# Allegro board fscvmotherboardv2.brd (continued)
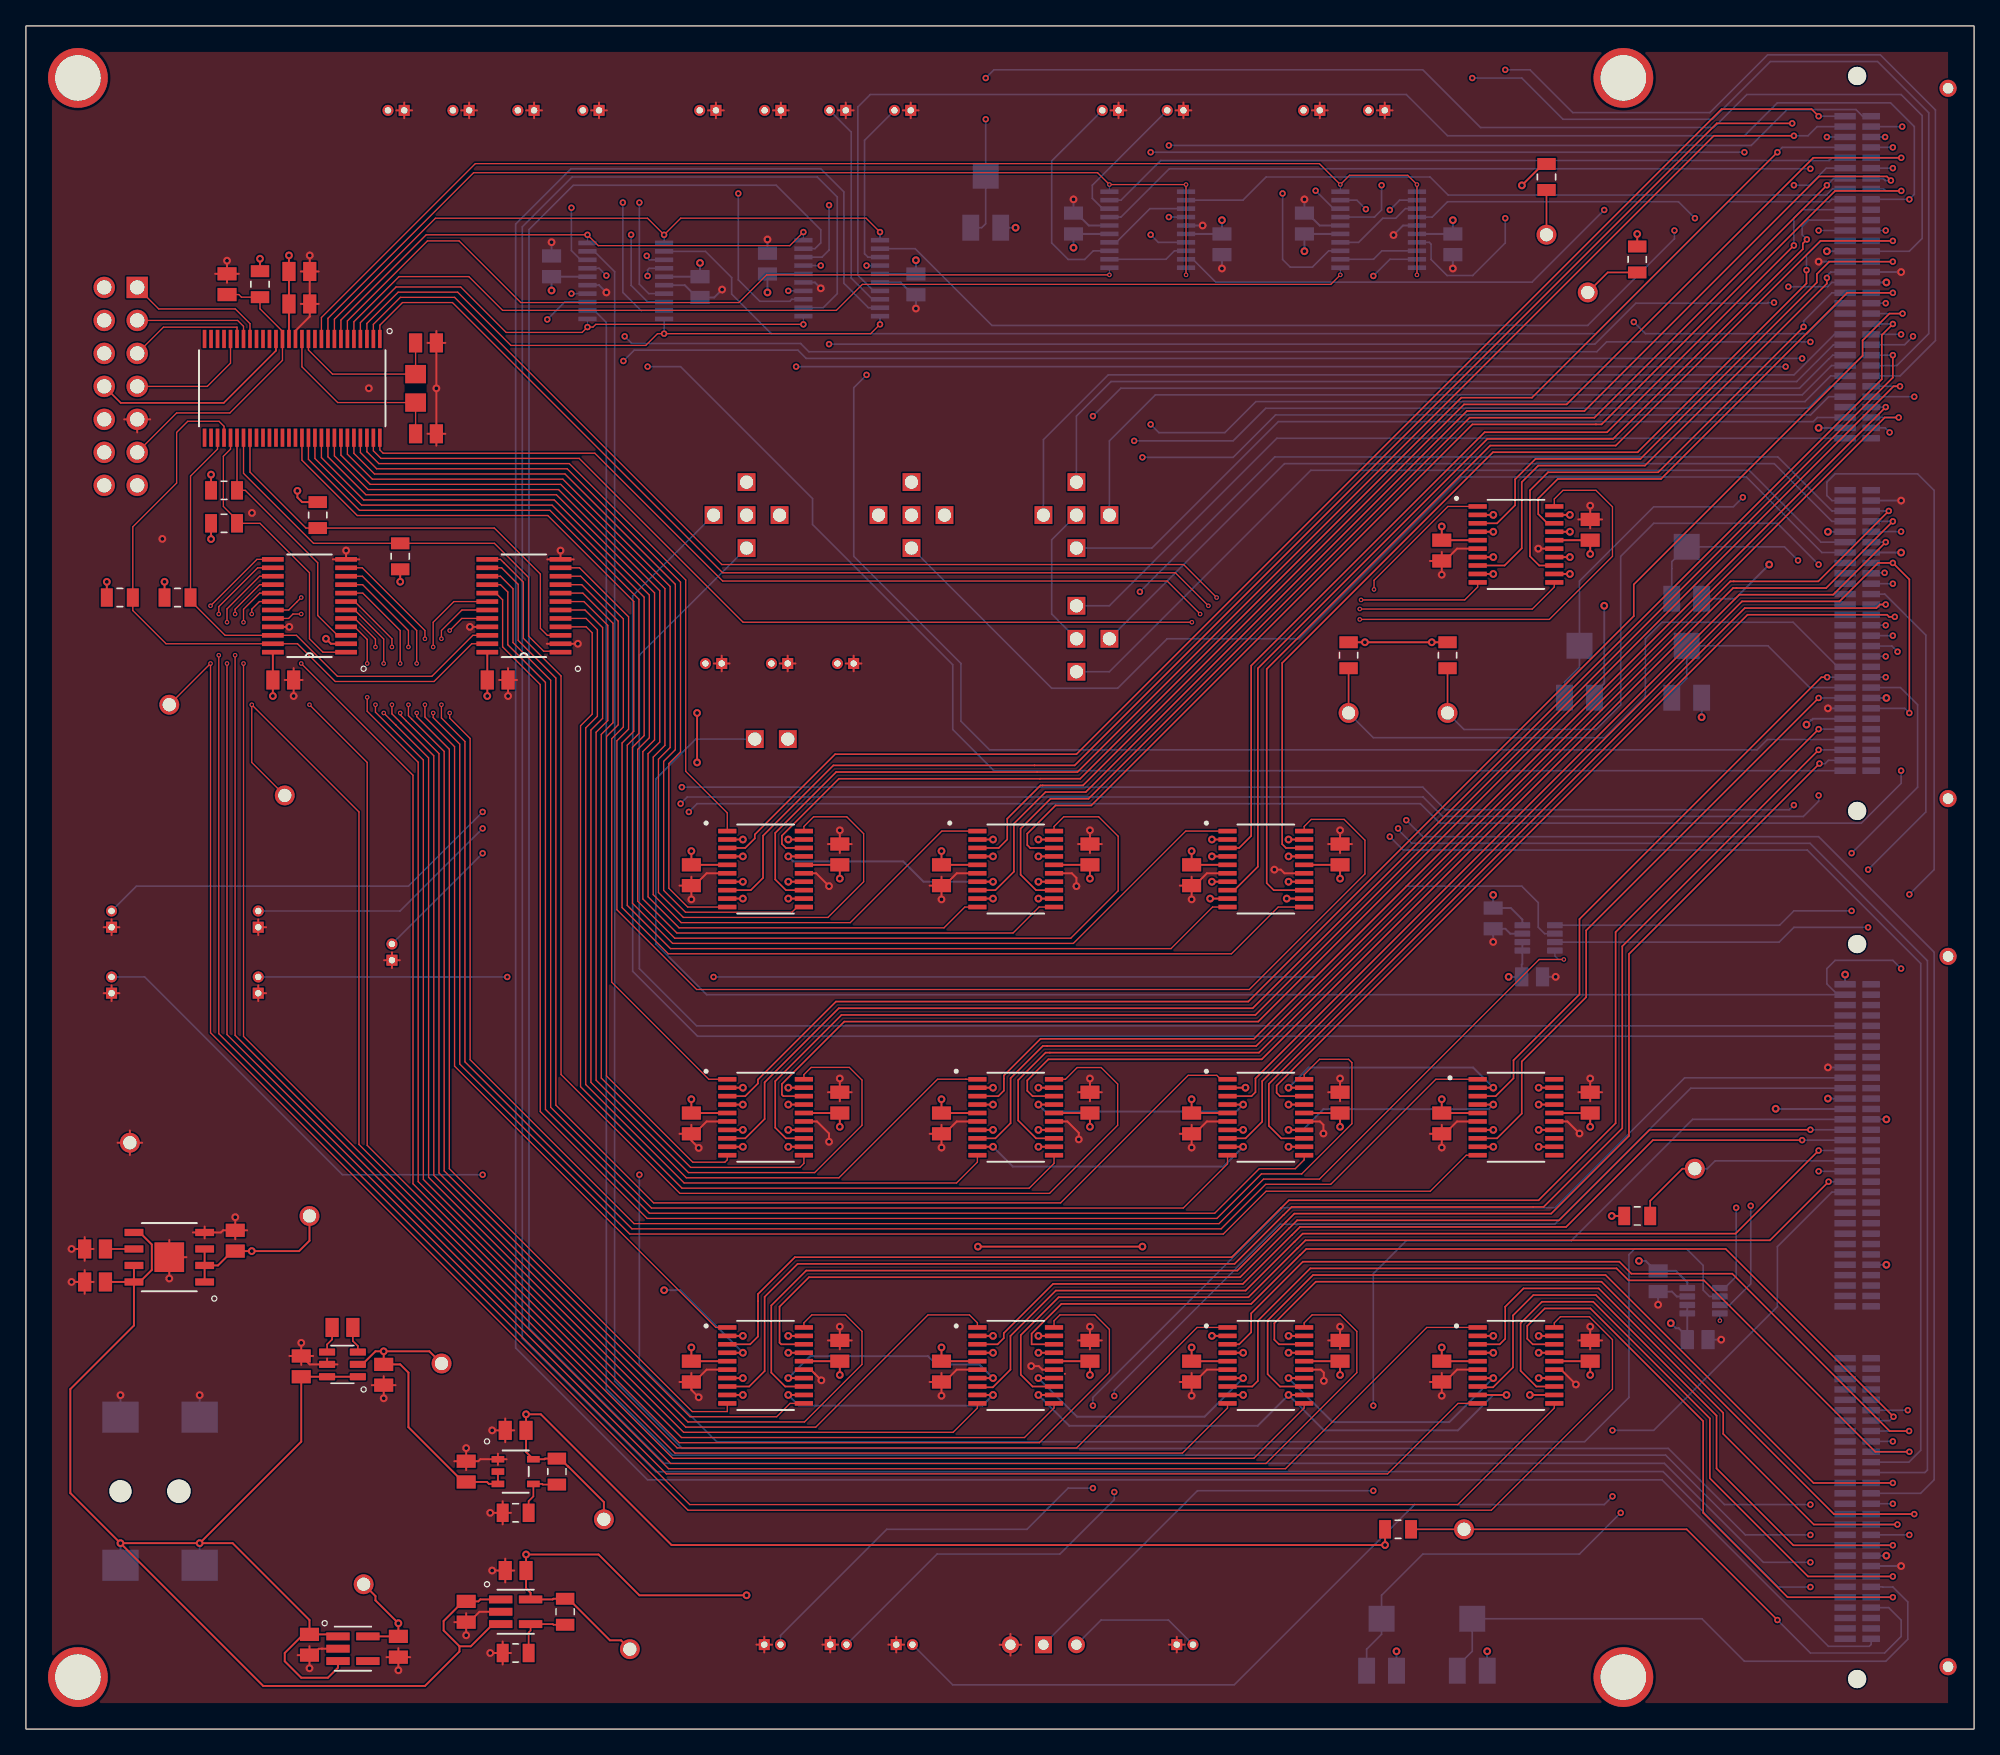
[diagram p0: board, top side]
## Routing (per net, layer and track width the routed paths; a pad name or vN(x,y) marks a point on that pad's centre or on a via; arc(x,y) is an arc through that point) (continued)
  POWER w0.15: v2(112.98,48.09) v2(112.98,46.14) 110.73,43.89 110.73,38.88 112.25,37.35 124.6,37.35 125.1,36.85 125.1,35.55 124.61,35.07 111.36,35.07 110.73,34.43 110.73,31.68 112.73,29.68 112.94,29.68 112.98,29.64 v2(112.98,28.98) v2(116.48,28.98) v2(116.48,27.03) v2(112.98,27.03) ; v2(55.48,10.3) 98.65,10.3 109.1,20.75 116.73,20.75 121.53,25.54 128.51,25.54 134.73,31.76 v2(134.73,47.77) ; v2(58.7,48.09) 60.89,48.09 61.9,49.1 71.5,49.1 v2(74.46,46.14) v2(77.96,46.14) v2(77.96,48.09) v2(74.46,48.09) ; v2(58.7,48.09) v2(58.7,46.14) ; v2(58.7,48.09) v2(55.2,48.09) v2(55.2,46.14) ; v2(97.22,48.09) 97.22,46.64 v2(97.22,46.14) v2(93.72,46.14) v2(93.72,48.09) ; v2(118.88,90.25) v2(118.88,92.2) v2(112.98,92.2) ; v2(49.14,33.79) 49.14,44.59 54.22,49.67 54.22,64.91 54.55,65.25 v2(55.2,65.25) v2(58.7,65.25) v2(58.7,67.2) v2(55.2,67.2) 53.58,68.82 53.58,69.99 58.66,75.07 1.65V.TP ; v2(74.46,28.98) v2(77.96,28.98) v2(77.96,27.03) v2(74.46,27.03) ; v2(112.98,92.2) 111.06,94.12 108.97,94.12 107.56,92.7 107.56,91.58 110.73,88.41 110.73,72.53 105.65,67.45 101.2,67.45 98.66,64.91 98.66,63.64 97.39,62.37 89.14,62.37 88.5,63.01 88.5,64.35 89.4,65.25 v2(91.32,65.25) v2(97.22,65.25) 97.22,65.75 v2(97.22,67.2) v2(91.32,67.2) 87.89,70.62 72,70.62 69.45,68.09 69.45,66.81 70.09,66.18 73.44,66.18 v2(74.46,67.2) v2(77.96,67.2) v2(77.96,65.25) v2(74.46,65.25) ; v2(112.98,92.2) v2(112.98,90.25) ; v2(97.22,28.98) v2(93.72,28.98) v2(93.72,27.03) v2(97.22,27.03) ; v2(55.2,28.98) v2(58.7,28.98) v2(58.7,27.03) v2(55.2,27.03) 38.56,27.03 37.07,25.54 37.07,23 38.5,21.57 v2(38.5,13.44)
  BOTTOM w0.15: v2(77.96,48.09) 78.5,47.55 93.18,47.55 v2(93.72,48.09) ; v2(97.22,27.03) 100.61,23.64 109.59,23.64 v2(112.98,27.03) ; v2(134.73,47.77) 134.74,47.75 J1.133 ; v2(74.46,27.03) 73.41,28.08 70.09,28.08 69.45,28.72 60.39,28.72 v2(58.7,27.03) ; v2(97.22,46.14) 98.31,46.14 99.9,47.73 112.63,47.73 v2(112.98,48.09) ; v2(77.96,27.03) 80.93,24.05 90.75,24.05 v2(93.72,27.03) ; v2(49.14,33.79) 50.38,33.79 v2(55.2,28.98) ; v2(58.7,67.2) 59.08,66.81 67.55,66.81 69.12,65.25 v2(74.46,65.25)
+5V: length 594.6
  TOP w0.15: v2(101.19,65.49) C24.1 U12.16 ; U24.16 C48.1 v2(81.92,27.27) ; v2(101.19,46.38) C42.1 U21.16 ; U14.16 C28.1 v2(81.92,46.38) ; U9.16 C18.1 v2(120.44,27.27) ; v2(62.66,65.49) C32.1 U16.16 ; v2(120.44,90.49) C36.1 U19.16 ; U15.16 C30.1 v2(62.66,46.38) ; U13.16 C26.1 v2(81.92,65.49) ; U17.16 C34.1 v2(62.66,27.27) ; U11.16 C22.1 v2(101.19,27.27) ; U10.16 C20.1 v2(120.44,46.38) ; UNK+5V.TP 26.91,10.24 26.91,9.91 v2(28.67,8.15) C10.1 U3.5
  POWER w0.15: v2(62.66,65.49) 61.2,66.96 61.2,76.34 59.93,77.61 46.91,77.61 ; v2(120.44,90.49) 122.16,92.21 122.16,103.91 v2(109.87,116.2) 108.45,117.62 102.28,117.62 99.74,115.08 93.21,115.08 v2(92.09,116.2) 89.47,113.57 83.02,113.57 81.92,114.68 61.14,114.68 v2(57.09,110.63) 56.12,110.63 52.94,113.81 49.39,113.81 48.37,112.78 42.47,112.78 v2(40.47,110.78) 41.41,109.84 41.41,98.03 45.96,93.49 45.96,78.56 46.91,77.61 ; v2(62.66,27.27) 43.54,8.15 v2(28.67,8.15) 28.67,14.89 23.73,19.83 23.73,61.1 39.61,76.98 46.28,76.98 46.91,77.61 ; v2(62.66,27.27) 65.01,29.61 65.01,44.03 v2(62.66,46.38) ; v2(62.66,27.27) 66.3,23.64 79.62,23.64 81.92,25.95 v2(81.92,27.27) ; 114.11,58.48 114.17,58.43 v2(114.17,57.93) 114.17,52.66 v2(120.44,46.38) 122.28,46.38 127.81,40.85 127.81,32.41 v2(126.65,31.26) 125.34,31.26 121.35,27.27 v2(120.44,27.27) 120.44,26.37 118.35,24.27 106.92,24.27 103.92,27.27 v2(101.19,27.27) ; v2(101.19,27.27) 103.75,29.83 103.75,43.82 v2(101.19,46.38) 103.11,48.3 103.11,64.28 101.89,65.49 v2(101.19,65.49) ; v2(101.19,27.27) 101.19,22.98 99.3,21.1 89.78,21.1 83.6,27.27 v2(81.92,27.27) ; v2(81.92,27.27) 84.06,29.4 84.06,44.24 v2(81.92,46.38) 84,48.46 84,63.41 v2(81.92,65.49)
  BOTTOM w0.15: C54.1 127.92,30.21 ; 127.92,30.21 U26.1 U26.2 ; 127.92,30.21 127.27,30.86 127.04,30.86 v2(126.65,31.26) ; v2(57.09,110.63) C40.1 U18.16 ; v2(40.47,110.78) C38.1 U20.16 ; U22.16 C44.1 v2(92.09,116.2) ; U25.2 U25.1 115.22,58.91 115.17,58.86 C52.1 v2(114.17,57.93) ; v2(109.87,116.2) C46.1 U23.16
-1.65V: length 985.5
  TOP w0.15: U24.9 v2(74.46,25.73) ; U14.9 v2(74.46,44.84) ; U11.2 v2(91.32,30.28) ; U19.19 v2(118.88,93.5) ; U13.19 v2(77.96,68.5) ; U21.19 v2(97.22,49.39) ; U19.12 v2(118.88,88.95) ; U12.9 v2(91.18,63.95) ; U19.9 v2(112.98,88.95) ; U24.2 v2(74.46,30.28) ; U16.2 v2(55.2,68.5) ; U14.12 v2(77.96,44.84) ; U16.9 v2(55.2,63.95) ; U12.12 v2(97.08,63.95) ; U14.19 v2(77.96,49.39) ; U9.19 v2(116.48,30.28) ; v2(93.9,49.39) U21.2 ; R18.2 116.83,120.52 v2(115.19,118.88) ; U12.2 v2(91.32,68.5) ; U12.19 v2(97.22,68.5) ; U16.19 v2(58.7,68.5) ; U17.2 v2(55.2,30.28) ; R15.2 v2(124.06,115.13) ; U21.12 v2(97.22,44.84) ; U24.12 v2(77.96,25.73) ; UNK-1.65V.TP 44.5,17.48 41.75,20.22 41.73,20.22 41.13,20.83 R12.2 39.97,20.83 39.92,20.78 U8.5 38.5,21.34 C16.1 v2(38.5,24.24) 39.64,24.24 49.71,14.17 v2(104.65,14.17) R16.2 ; U15.9 v2(55.2,44.84) ; U17.9 v2(55.2,25.73) ; U17.12 v2(58.7,25.73) ; U16.12 v2(58.7,63.95) ; R19.2 v2(108.25,83.69) v2(103.1,83.69) R17.2 ; U11.12 v2(97.22,25.73) ; U9.12 v2(115.8,25.73) ; U13.12 v2(77.96,63.95) ; U24.19 v2(77.96,30.28) ; U15.19 v2(58.7,49.39) ; U13.2 v2(74.46,68.5) ; R14.2 v2(122.11,39.51) ; U10.9 v2(112.98,44.84) ; U10.2 v2(112.98,49.39) ; U13.9 v2(74.46,63.95) ; U17.19 v2(58.7,30.28) ; U11.9 v2(93.72,25.73) ; U15.12 v2(58.7,44.84) ; U11.19 v2(97.22,30.28) ; U9.2 v2(112.98,30.28) ; U14.2 v2(74.46,49.39) ; U9.9 v2(114,25.73) ; v2(93.72,44.84) U21.9 ; U15.2 v2(55.2,49.39) ; U19.2 v2(112.98,93.5)
  POWER w0.15: v2(93.9,49.39) 93.4,49.39 92.65,48.64 92.65,45.91 v2(93.72,44.84) v2(97.22,44.84) 98.66,46.29 98.66,47.94 v2(97.22,49.39) ; v2(93.72,25.73) v2(97.22,25.73) 98.66,27.17 98.66,28.83 v2(97.22,30.28) v2(91.32,30.28) ; v2(112.98,30.28) v2(116.48,30.28) ; v2(116.48,30.28) 120.63,34.43 125.97,34.43 127.2,35.67 127.2,39.55 124.7,42.05 115.17,42.05 112.98,44.24 ; v2(116.48,30.28) 117.08,29.67 117.08,26.33 116.48,25.73 v2(115.8,25.73) v2(114,25.73) ; v2(74.46,63.95) 72.94,63.95 71.99,63.01 70.02,63.01 68.85,64.17 68.85,71.93 73.9,76.98 87.87,76.98 91.32,73.53 v2(91.32,68.5) v2(97.22,68.5) ; v2(74.46,63.95) 72.25,61.74 68.82,61.74 66.6,63.95 v2(58.7,63.95) ; v2(74.46,63.95) v2(77.96,63.95) 78.98,64.97 78.98,67.48 v2(77.96,68.5) v2(74.46,68.5) ; 55.2,50.02 v2(55.2,49.39) ; 55.2,50.02 56.76,51.58 72.28,51.58 v2(74.46,49.39) v2(77.96,49.39) 79.62,47.73 79.62,46.5 v2(77.96,44.84) v2(74.46,44.84) ; 55.2,50.02 v2(55.2,63.95) v2(58.7,63.95) ; v2(55.2,49.39) v2(58.7,49.39) ; v2(55.2,49.39) 54.22,48.4 54.22,45.83 v2(55.2,44.84) v2(58.7,44.84) ; v2(118.88,88.95) 119.53,89.6 119.53,92.85 v2(118.88,93.5) 117.79,94.59 114.07,94.59 v2(112.98,93.5) 111.09,95.39 109.01,95.39 106.92,93.3 106.92,85.02 v2(108.25,83.69) ; v2(118.88,88.95) v2(112.98,88.95) ; v2(118.88,88.95) 119.24,88.59 119.43,88.59 v2(121.53,86.5) 129.03,79 v2(129.03,77.92) ; v2(134.22,89.68) 134.22,83.12 v2(129.03,77.92) ; v2(134.22,89.68) 132.95,88.41 130.41,88.41 127.24,91.58 127.24,101.11 115.19,113.16 115.19,115.87 ; v2(134.22,89.68) 134.22,90.31 135.5,91.58 138.13,91.58 v2(138.75,92.2) ; v2(129.03,77.92) 129.03,73.03 132.2,69.85 136.2,69.85 137.1,70.75 v2(137.1,77.35) 137.5,77.75 141.6,77.75 v2(143.25,79.4) ; v2(138.03,100.2) 138.03,92.92 v2(138.75,92.2) ; v2(104.65,14.17) 105.53,13.29 v2(105.53,5.99) v2(112.52,5.99) ; v2(112.52,5.99) 120.64,14.11 132.32,14.11 143.25,25.04 v2(143.25,35.75) v2(143.25,46.95) 141.65,48.55 v2(138.75,48.55) 140.07,49.88 v2(140.07,58.1) ; v2(112.52,5.99) 114.04,5.99 121.53,13.48 142.62,13.48 142.75,13.35 v2(143.25,13.35) ; v2(58.7,63.95) 59.93,65.18 59.93,67.27 v2(58.7,68.5) v2(55.2,68.5) ; v2(97.22,68.5) 97.22,76.47 103.1,82.35 v2(103.1,83.69) ; v2(97.22,68.5) 98.03,67.68 98.03,64.91 v2(97.08,63.95) v2(91.18,63.95) ; v2(76.2,115.62) 84.79,115.62 85.97,114.44 88.09,114.44 90.63,116.98 94.86,116.98 96.12,115.71 99.3,115.71 101.84,118.25 110.09,118.25 113.27,115.08 114.39,115.08 115.19,115.87 ; 115.19,115.87 v2(115.19,118.88) 118.36,118.88 122.11,115.13 v2(124.06,115.13) ; v2(138.75,92.2) 131.7,92.2 129.78,94.12 129.78,110.83 131.1,112.15 135.7,112.15 136.81,111.05 142.9,111.05 v2(143.25,111.4) 140.85,113.8 v2(138.67,113.8) ; v2(138.75,92.2) 139.32,92.2 140.92,90.6 v2(144.38,90.6) ; v2(122.11,39.51) 114.54,39.51 112.98,41.07 112.98,44.24 ; 112.98,44.24 v2(112.98,44.84) 114.54,46.4 114.54,48.4 113.55,49.39 v2(112.98,49.39) ; v2(38.5,24.24) 39.64,24.24 40.28,23.6 53.08,23.6 v2(55.2,25.73) v2(58.7,25.73) 59.93,26.96 59.93,29.04 v2(58.7,30.28) v2(55.2,30.28) ; v2(74.46,30.28) v2(77.96,30.28) 78.98,29.25 78.98,26.75 v2(77.96,25.73) v2(74.46,25.73)
  BOTTOM w0.15: J1.208 v2(143.25,35.75) ; v2(74.46,25.73) 73.64,24.91 59.52,24.91 v2(58.7,25.73) ; v2(97.22,49.39) 98.77,50.94 111.43,50.94 v2(112.98,49.39) ; 112.52,4.49 v2(112.52,5.99) ; v2(93.72,44.84) 92.2,43.32 75.98,43.32 v2(74.46,44.84) ; v2(114,25.73) 112.98,25.73 110.26,23 99.94,23 v2(97.22,25.73) 94.84,23.35 80.33,23.35 v2(77.96,25.73) ; J1.121 v2(140.07,58.1) ; J1.55 137.59,77.8 137.5,77.71 137.45,77.71 v2(137.1,77.35) ; VR5.3 v2(76.2,115.62) ; J1.232 v2(143.25,13.35) ; J1.194 v2(143.25,46.95) ; J1.132 v2(138.75,48.55) ; J1.14 v2(138.67,113.8) ; J1.99 v2(144.38,90.6) ; J1.77 v2(143.25,111.4) ; J1.37 v2(138.75,92.2) ; v2(121.53,86.5) 121.53,80.53 120.77,79.77 VR1.3 ; v2(134.22,89.68) 131.59,87.04 VR6.3 ; VR4.3 v2(105.53,5.99) ; VR3.3 v2(129.03,77.92) ; J1.31 v2(138.03,100.2) ; J1.113 v2(143.25,79.4)
-5V: length 560
  TOP w0.15: v2(51.67,78.25) v2(51.67,74.44) ; v2(109.02,29.39) C19.1 U9.5 ; U16.5 C33.1 v2(51.23,67.61) ; v2(70.5,67.61) C27.1 U13.5 ; U17.5 C35.1 v2(51.23,29.39) ; v2(89.75,29.39) C23.1 U11.5 ; U19.5 C37.1 v2(109.02,92.61) ; U5.2 25.9,28.08 26.91,29.09 v2(27.55,29.09) ; v2(85.97,37.15) v2(73.3,37.15) ; v2(27.55,29.09) 31.06,29.09 UNK-5V.TP ; v2(27.55,29.09) C11.1 28.81,28.08 29.45,27.45 29.45,23.25 33.67,19.03 C17.1 35.5,19.03 35.65,18.88 U8.3 U8.2 ; U15.5 C31.1 v2(51.23,48.5) ; U14.5 C29.1 v2(70.5,48.5) ; U24.5 C49.1 v2(70.5,29.39) ; U21.5 C43.1 v2(89.75,48.5) ; v2(109.02,48.5) C21.1 U10.5 ; v2(89.75,67.61) C25.1 U12.5
  POWER w0.15: v2(109.02,48.5) 105.65,51.86 105.65,66.18 105.02,66.81 101.42,66.81 99.94,65.33 99.94,58.68 v2(89.75,48.5) ; v2(109.02,48.5) 108.29,48.5 105.65,45.86 105.65,32.75 v2(109.02,29.39) 109.02,34.62 110.44,36.05 v2(124.2,36.05) ; v2(109.02,48.5) 109.02,60.28 v2(112.97,64.24) 111.36,65.84 111.36,90.26 v2(109.02,92.61) ; v2(89.75,48.5) 88.5,47.25 88.5,39.69 v2(85.97,37.15) 85.97,33.18 v2(89.75,29.39) ; v2(89.75,48.5) 87.87,50.38 87.87,65.73 v2(89.75,67.61) 88.66,68.71 78.6,68.71 78.21,69.1 71.98,69.1 v2(70.5,67.61) ; 66.28,46.5 65.01,47.77 62.47,47.77 60.53,45.83 60.53,41.38 51.23,32.09 v2(51.23,29.39) 50.64,29.99 28.44,29.99 v2(27.55,29.09) 27.55,45.86 30.18,48.5 v2(51.23,48.5) 53.58,50.84 53.58,65.27 v2(51.23,67.61) 51.67,68.05 v2(51.67,74.44) ; 66.28,46.5 68.28,48.5 v2(70.5,48.5) ; 66.28,46.5 66.28,44.17 v2(73.3,37.15) 73.3,36.65 73.27,36.61 73.27,32.16 v2(70.5,29.39) ; v2(51.67,78.25) 51.67,78.91 50.41,80.18 50.41,111.91 51.4,112.9 v2(51.9,112.9) 51.9,110.41 58.02,104.28 61.84,104.28 63.1,105.55 63.1,111.91 65,113.81 67.83,113.81 v2(68.53,113.11) 69.49,114.08 v2(80.66,114.08) 81.52,113.22 81.52,111.27 82.79,110 94.63,110 v2(98.44,113.81)
  BOTTOM w0.15: U26.4 127.92,34.4 127.04,35.29 C55.2 125.48,35.29 124.72,36.05 v2(124.2,36.05) ; v2(80.66,114.08) C45.1 U22.5 ; U25.4 115.22,62.34 114.34,63.23 C53.2 v2(112.97,64.24) ; U20.5 C39.1 v2(51.9,112.9) ; v2(68.53,113.11) C41.1 U18.5 ; v2(98.44,113.81) C47.1 U23.5
GND: length 432.5
  TOP w0.15: C6.2 5.21,34.43 ; C6.2 4.52,33.52 ; C6.2 4.52,35.34 ; C6.2 v2(3.51,34.43) ; J5.2 68.12,125.25 ; J5.2 68.73,124.65 ; J5.2 68.12,124.05 ; J5.2 67.52,124.65 ; C21.2 109.02,46.53 ; C21.2 v2(109.02,44.78) ; C21.2 108.1,45.84 ; C21.2 109.24,45.84 110.19,46.79 U10.6 ; 20.92,5.69 C9.2 ; C9.2 v2(21.83,4.68) ; C9.2 22.06,5.69 22.55,6.19 22.79,6.19 22.8,6.19 U3.2 ; C9.2 21.83,6.38 ; C7.2 5.21,36.97 ; C7.2 v2(3.51,36.97) ; C7.2 4.52,37.88 ; C7.2 4.52,36.06 ; 52.52,124.65 J17.2 ; J17.2 53.12,124.05 ; J17.2 53.73,124.65 ; J17.2 53.12,125.25 ; v2(119.62,45.86) 118.69,46.79 U10.15 ; 99.02,124.65 J18.2 ; J18.2 99.62,125.25 ; J18.2 99.62,124.05 ; J18.2 100.23,124.65 ; C26.2 v2(81.92,69.21) ; C26.2 81.92,67.46 ; C26.2 82.84,68.15 ; C26.2 81.01,68.15 ; v2(81.07,45.41) 81.07,45.91 80.19,46.79 U14.15 ; C19.2 109.24,26.73 110.19,27.68 U9.6 ; C19.2 v2(109.02,25.67) ; C19.2 108.1,26.73 ; C19.2 109.02,27.41 ; C37.2 109.24,89.95 110.19,90.9 U19.6 ; C37.2 v2(109.02,88.89) ; C37.2 108.1,89.95 ; C37.2 109.02,90.64 ; U11.6 90.93,27.68 89.98,26.73 C23.2 ; 58.05,82.06 J27.2 ; J27.2 58.65,82.66 ; J27.2 58.65,81.45 ; J27.2 59.25,82.06 ; C3.1 v2(21.85,113.48) ; C3.1 C4.1 ; C3.1 22.54,112.25 ; C3.1 21.16,112.25 ; U4.12 v2(41.16,90.75) ; U4.12 40.14,90.08 ; U4.12 42.18,90.08 ; U4.21 v2(34.18,84.88) ; v2(80.89,64.91) 80.89,65.54 80.53,65.9 U13.15 ; C4.1 21.16,109.75 ; C4.1 21.85,108.77 20.75,107.67 U1.14 ; C4.1 22.54,109.75 ; U8.1 36.34,21.21 ; U8.1 36.34,20.34 ; U8.1 37.01,20.78 ; U8.1 34.98,20.78 34.83,20.63 33.89,20.63 ; J14.2 84.73,124.65 ; J14.2 84.12,125.25 ; J14.2 84.12,124.05 ; J14.2 83.52,124.65 ; 39.12,124.05 J8.2 ; J8.2 39.12,125.25 ; J8.2 39.73,124.65 ; J8.2 38.52,124.65 ; 36.43,80.79 37.12,80.79 ; 37.12,80.79 v2(37.12,79.55) ; 37.12,80.79 37.81,80.79 ; 37.12,80.79 37.12,81.7 ; C23.2 v2(89.75,25.67) ; C23.2 89.75,27.41 ; C23.2 88.84,26.73 ; v2(61.84,64.91) 60.84,65.9 U16.15 ; 28.18,58.6 J20.2 ; J20.2 27.58,59.21 ; J20.2 28.78,59.21 ; J20.2 28.18,59.81 ; U19.15 v2(116.44,90.9) ; R13.1 v2(35.75,16.65) ; R13.1 36.7,17.54 ; R13.1 37.34,16.65 ; R13.1 36.7,15.76 ; C29.2 70.5,46.53 ; C29.2 v2(70.5,44.78) ; C29.2 69.58,45.84 ; C29.2 70.72,45.84 71.67,46.79 U14.6 ; U11.15 99.7,27.68 99.94,27.44 v2(99.94,26.81) ; J13.2 58.73,124.65 ; J13.2 58.12,125.25 ; J13.2 58.12,124.05 ; J13.2 57.52,124.65 ; 50.32,64.95 C33.2 ; C33.2 51.46,64.95 52.41,65.9 U16.6 ; C33.2 51.23,65.64 ; C33.2 v2(51.23,63.89) ; 5.99,61.75 J15.2 ; J15.2 7.19,61.75 ; J15.2 6.59,61.14 ; J15.2 6.59,62.35 ; C48.2 82.84,29.93 ; C48.2 81.01,29.93 ; C48.2 v2(81.92,30.99) ; C48.2 81.92,29.24 ; U15.15 60.91,46.79 61.84,45.86 v2(61.84,45.23) ; U21.6 90.93,46.79 89.98,45.84 C43.2 ; C20.2 v2(120.44,50.1) ; C20.2 121.36,49.04 ; C20.2 119.53,49.04 ; C20.2 120.44,48.35 ; 44.12,124.05 J4.2 ; J4.2 43.52,124.65 ; J4.2 44.73,124.65 ; J4.2 44.12,125.25 ; C27.2 70.5,65.64 ; C27.2 69.58,64.95 ; C27.2 v2(70.5,63.89) ; C27.2 70.72,64.95 71.67,65.9 U13.6 ; 101.19,29.24 C22.2 ; C22.2 v2(101.19,30.99) ; C22.2 100.27,29.93 ; 7.56,100.86 J2.9 ; J2.9 9.57,100.86 ; J2.9 8.56,99.85 ; 61.75,68.15 C32.2 ; C32.2 62.66,67.46 ; C32.2 v2(62.66,69.21) ; C32.2 63.58,68.15 ; C49.2 70.72,26.73 71.67,27.68 U24.6 ; C49.2 70.5,27.41 ; C49.2 69.58,26.73 ; C49.2 v2(70.5,25.67) ; C28.2 v2(81.92,50.1) ; C28.2 81.92,48.35 ; C28.2 81.01,49.04 ; C28.2 82.84,49.04 ; 104.62,124.05 J10.2 ; J10.2 104.02,124.65 ; J10.2 104.62,125.25 ; J10.2 105.23,124.65 ; J23.2 62.53,6.5 ; J23.2 61.93,5.9 ; J23.2 61.93,7.1 ; J23.2 61.33,6.5 ; SW1.3 76.64,6.49 ; SW1.3 75.81,5.66 ; SW1.3 75.81,7.32 ; SW1.3 74.97,6.49 ; 16.11,38.41 17.03,38.41 ; 16.11,38.41 v2(16.11,39.42) ; 16.11,38.41 15.18,38.41 15.01,38.24 U2.4 ; 16.11,38.41 16.11,37.72 ; 61.75,29.93 C34.2 ; C34.2 63.58,29.93 ; C34.2 62.66,29.24 ; C34.2 v2(62.66,30.99) ; J7.2 18.49,61.75 ; J7.2 17.89,61.14 ; J7.2 17.89,62.35 ; U9.15 118.2,27.68 v2(119.35,26.54) ; 20.61,80.79 21.3,80.79 ; 20.61,80.79 v2(20.61,79.55) ; 20.61,80.79 20.61,81.7 ; 20.61,80.79 19.92,80.79 ; 17.89,56.06 J11.2 ; J11.2 17.89,57.27 ; J11.2 18.49,56.67 ; J9.2 63.12,125.25 ; J9.2 63.73,124.65 ; J9.2 62.52,124.65 ; J9.2 63.12,124.05 ; 52.97,82.06 J25.2 ; J25.2 54.17,82.06 ; J25.2 53.57,81.45 ; J25.2 53.57,82.66 ; U2.9 11.03,37.66 ; U2.9 12.36,36.34 ; U2.9 v2(11.03,34.69) ; C14.2 34.12,8.23 34.92,9.03 U7.2 ; C14.2 33.89,8.92 ; C14.2 32.98,8.23 ; C14.2 v2(33.89,7.22) ; J19.2 6.59,57.27 ; J19.2 5.99,56.67 ; J19.2 7.19,56.67 ; J19.2 6.59,56.06 ; v2(42.5,83.58) U4.2 40.1,83.58 ; C11.2 27.55,27.17 ; C11.2 28.46,26.48 ; C11.2 26.63,26.48 ; C11.2 v2(27.55,25.47) ; C24.2 v2(101.19,69.21) ; C24.2 100.27,68.15 ; C24.2 101.19,67.46 ; C24.2 102.1,68.15 ; C10.2 28.67,6.22 ; C10.2 v2(28.67,4.53) ; C10.2 29.59,5.54 ; C10.2 27.76,5.54 ; J21.2 57.45,6.5 ; J21.2 56.85,5.9 ; J21.2 56.85,7.1 ; J21.2 56.25,6.5 ; 119.53,93.15 C36.2 ; C36.2 v2(120.44,94.21) ; C36.2 121.36,93.15 ; C36.2 120.44,92.46 ; 67.01,5.9 J24.2 ; J24.2 67.01,7.1 ; J24.2 66.41,6.5 ; J24.2 67.61,6.5 ; U6.21 v2(20.28,84.88) ; 33.89,20.63 33.89,19.94 ; 33.89,20.63 v2(33.89,21.64) ; 33.89,20.63 32.98,20.63 ; J16.2 29.12,125.25 ; J16.2 29.12,124.05 ; J16.2 29.73,124.65 ; J16.2 28.52,124.65 ; J26.2 63.73,82.66 ; J26.2 63.73,81.45 ; J26.2 63.13,82.06 ; J26.2 64.33,82.06 ; U21.15 99.64,46.79 99.9,46.53 v2(99.9,45.86) ; U6.12 v2(24.65,90.75) ; U6.12 23.63,90.08 ; U6.12 25.67,90.08 ; C15.2 36.91,13.12 ; C15.2 v2(35.89,12.21) ; C15.2 36.91,11.29 ; C15.2 37.59,12.21 ; 15.48,111.38 C5.1 ; C5.1 16.39,112.06 ; C5.1 v2(15.48,113.08) ; C5.1 14.57,112.06 ; v2(51.8,44.75) 51.23,45.32 C31.2 ; J6.2 89.12,125.25 ; J6.2 88.52,124.65 ; J6.2 89.73,124.65 ; J6.2 89.12,124.05 ; v2(61.25,26.86) 60.74,27.36 60.42,27.68 U17.15 ; C31.2 51.46,45.84 52.41,46.79 U15.6 ; C31.2 51.23,46.53 ; C31.2 50.32,45.84 ; 120.44,29.24 C18.2 ; C18.2 119.53,29.93 ; C18.2 121.36,29.93 ; C18.2 v2(120.44,30.99) ; J12.2 34.12,125.25 ; J12.2 33.52,124.65 ; J12.2 34.12,124.05 ; J12.2 34.73,124.65 ; C30.2 v2(62.66,50.1) ; C30.2 61.75,49.04 ; C30.2 62.66,48.35 ; C30.2 63.58,49.04 ; C16.2 v2(35.89,23) ; C16.2 36.91,23.91 ; C16.2 37.59,23 ; C16.2 36.91,22.09 ; U17.6 52.41,27.68 51.46,26.73 C35.2 ; 88.84,64.95 C25.2 ; C25.2 89.75,65.64 ; C25.2 v2(89.75,63.89) ; C25.2 89.98,64.95 90.93,65.9 U12.6 ; 20.28,28.73 C12.2 ; C12.2 21.19,28.04 ; C12.2 22.11,28.73 ; C12.2 v2(21.19,29.74) ; C12.2 21.84,28.08 U5.5 ; R11.1 v2(35.75,5.86) ; R11.1 37.34,5.86 ; R11.1 36.7,6.74 ; R11.1 36.7,4.97 ; C42.2 v2(101.19,50.1) ; C42.2 100.27,49.04 ; C42.2 101.19,48.35 ; 88.01,6.5 J22.2 ; J22.2 88.61,5.9 ; J22.2 89.21,6.5 ; J22.2 88.61,7.1 ; 8,44.21 GND1.TP ; GND1.TP 7.06,45.15 ; GND1.TP 8.94,45.15 ; GND1.TP 8,46.09 ; 88.84,45.84 C43.2 ; C43.2 v2(89.75,44.78) ; C43.2 89.75,46.53 ; v2(77.4,27.95) 77.98,27.95 78.26,27.68 U24.15 ; C1.2 31.6,107.66 ; C1.2 32.29,106.75 ; C1.2 30.91,106.75 ; C1.2 v2(31.6,103.25) C2.2 ; v2(96.12,66.18) 96.63,66.18 96.91,65.9 U12.15 ; 12.85,38.24 U2.4 ; U2.4 13.76,37.78 ; U2.4 13.76,38.7 ; 30.91,99.75 C2.2 ; C2.2 31.6,98.83 ; C2.2 32.29,99.75 ; U5.5 23.98,28.08 ; U5.5 23.19,28.53 ; C35.2 51.23,27.41 ; C35.2 51.23,26.12 v2(51.8,25.55) ; C35.2 50.32,26.73 ; 80,27.36 80,27.36
  GND w0.15: J8.2 39.12,125.25 ; J8.2 38.52,124.65 ; J8.2 39.73,124.65 ; J8.2 39.12,124.05 ; J15.2 7.19,61.75 ; J15.2 6.59,61.14 ; J15.2 6.59,62.35 ; J15.2 5.99,61.75 ; 57.52,124.65 J13.2 ; J13.2 58.12,124.05 ; J13.2 58.12,125.25 ; J13.2 58.73,124.65 ; 61.33,6.5 J23.2 ; J23.2 61.93,5.9 ; J23.2 61.93,7.1 ; J23.2 62.53,6.5 ; J20.2 28.18,59.81 ; J20.2 27.58,59.21 ; J20.2 28.78,59.21 ; J20.2 28.18,58.6 ; J21.2 57.45,6.5 ; J21.2 56.25,6.5 ; J21.2 56.85,7.1 ; J21.2 56.85,5.9 ; J6.2 89.73,124.65 ; J6.2 88.52,124.65 ; J6.2 89.12,125.25 ; J6.2 89.12,124.05 ; J24.2 67.01,7.1 ; J24.2 67.01,5.9 ; J24.2 66.41,6.5 ; J24.2 67.61,6.5 ; J5.2 68.73,124.65 ; J5.2 68.12,125.25 ; J5.2 68.12,124.05 ; J5.2 67.52,124.65 ; J16.2 29.12,125.25 ; J16.2 28.52,124.65 ; J16.2 29.12,124.05 ; J16.2 29.73,124.65 ; 17.28,56.67 J11.2 ; J11.2 18.49,56.67 ; J11.2 17.89,57.27 ; J11.2 17.89,56.06 ; 63.73,81.45 J26.2 ; J26.2 63.13,82.06 ; J26.2 64.33,82.06 ; J26.2 63.73,82.66 ; J22.2 89.21,6.5 ; J22.2 88.61,7.1 ; J22.2 88.01,6.5 ; J22.2 88.61,5.9 ; 58.65,81.45 J27.2 ; J27.2 59.25,82.06 ; J27.2 58.65,82.66 ; J27.2 58.05,82.06 ; 17.89,61.14 J7.2 ; J7.2 17.89,62.35 ; J7.2 18.49,61.75 ; J7.2 17.28,61.75 ; J14.2 84.73,124.65 ; J14.2 83.52,124.65 ; J14.2 84.12,125.25 ; J14.2 84.12,124.05 ; GND1.TP 8.94,45.15 ; GND1.TP 8,46.09 ; GND1.TP 8,44.21 ; GND1.TP 7.06,45.15 ; 43.52,124.65 J4.2 ; J4.2 44.12,124.05 ; J4.2 44.73,124.65 ; J4.2 44.12,125.25 ; J12.2 34.12,125.25 ; J12.2 34.73,124.65 ; J12.2 33.52,124.65 ; J12.2 34.12,124.05 ; J19.2 6.59,57.27 ; J19.2 7.19,56.67 ; J19.2 6.59,56.06 ; J19.2 5.99,56.67 ; 63.12,124.05 J9.2 ; J9.2 62.52,124.65 ; J9.2 63.12,125.25 ; J9.2 63.73,124.65 ; 99.02,124.65 J18.2 ; J18.2 100.23,124.65 ; J18.2 99.62,124.05 ; J18.2 99.62,125.25 ; 104.62,124.05 J10.2 ; J10.2 105.23,124.65 ; J10.2 104.02,124.65 ; J10.2 104.62,125.25 ; 52.52,124.65 J17.2 ; J17.2 53.73,124.65 ; J17.2 53.12,124.05 ; J17.2 53.12,125.25 ; SW1.3 75.81,7.32 ; SW1.3 76.64,6.49 ; SW1.3 74.97,6.49 ; SW1.3 75.81,5.66 ; J25.2 53.57,82.66 ; J25.2 54.17,82.06 ; J25.2 53.57,81.45 ; J25.2 52.97,82.06 ; 8.56,99.85 J2.9 ; J2.9 9.57,100.86 ; J2.9 8.56,101.86 ; J2.9 7.56,100.86
  BOTTOM w0.15: 141.65,112.2 J1.76 v2(144.38,112.2) ; J3.3 v2(13.38,25.71) ; 92.09,113.53 v2(92.09,112.48) ; v2(90.6,115.78) U22.15 ; C54.2 v2(130.53,29.99) ; U26.3 127.11,33.31 126.74,33.69 C55.1 v2(125.67,32.68) ; U23.15 106.03,115.78 v2(105.3,115.05) ; U18.15 60.75,111.4 v2(61.2,110.95) ; U25.3 114.29,61.25 113.91,61.63 112.97,61.63 v2(112.97,60.62) ; C40.2 v2(57.09,114.71) ; J1.94 v2(144.38,94.6) ; v2(53.6,110.85) 52.99,110.24 C39.2 51.67,110.24 50.73,111.19 U20.6 ; 109.87,113.53 v2(109.87,112.48) ; v2(98.44,117.8) C47.2 98.66,116.74 99.61,115.78 U23.6 ; U22.6 81.84,115.78 80.89,116.74 C45.2 v2(80.66,117.8) ; v2(68.53,109.39) C41.2 68.3,110.45 67.35,111.4 U18.6 ; C52.2 v2(117.78,57.93) ; C38.2 v2(40.47,114.5) ; J1.15 v2(138.03,113) ; J3.2 v2(7.28,25.71) ; J1.233 v2(144.38,12.55) ; v2(44.69,110.63) 44.13,111.19 U20.15 ; J1.54 v2(138.75,78.6) ; J1.129 v2(138.75,50.95)
  vias: v2(10.5,91.65) v2(17.4,93.65) v2(26.4,103.25)
